# Altium PCB Power_Supply_Board_V2I1.PcbDoc (continued)
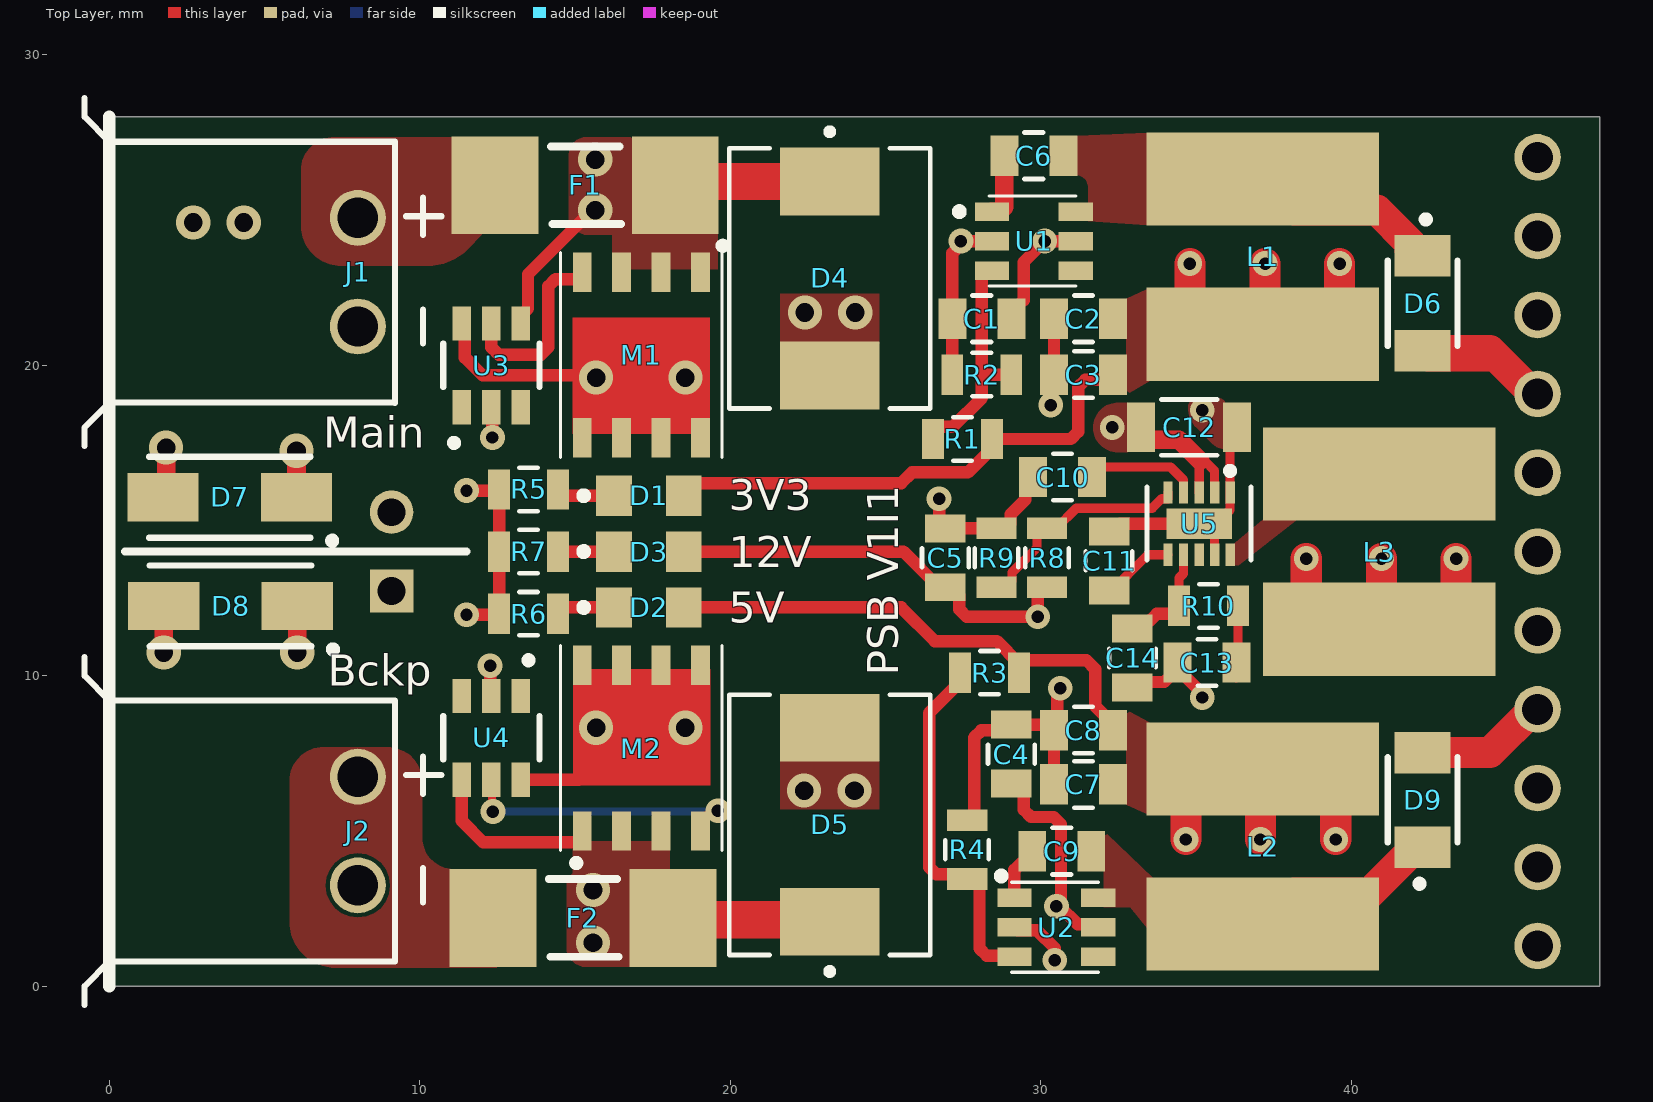
[diagram p0: Top Layer view]
## Part data (continued)
C13: library part C0805C222K5RACTU, "Cap Ceramic 2.2nF 50V X7R 10% SMD 0805 125°C Paper T/R", Capacitance=2.2nF, Case/Package=0805, Dielectric=X7R, Dielectric Material=Ceramic, Manufacturer=KEMET, Max Operating Temperature=125°C, Min Operating Temperature=-55°C, Supplier Part Number 1=399-1151-1-ND, Tolerance=10%, Voltage=50V, Category="Ceramic Capacitors", ComponentLink1Description=https://datasheet.ciiva.com/28692/1851736-28692973.pdf?src-supplier=Element14, ComponentLink1URL=https://datasheet.ciiva.com/28692/1851736-28692973.pdf?src-supplier=Element14, ComponentLink2Description=https://datasheet.ciiva.com/28584/kem-c1002-x7r-smd-28584143.pdf?src-supplier=Element14, ComponentLink2URL=https://datasheet.ciiva.com/28584/kem-c1002-x7r-smd-28584143.pdf?src-supplier=Element14, Depth=1.25mm, Height=0.78mm, Length=2mm, Manufacturer Part Number=C0805C222K5RACTU, Mount="Surface Mount", Packaging="Tape and Reel", Pricing 1="1=0,10000, 10=0,06000, 100=0,02670, 500=0,01906, 1000=0,01497 (USD)", Radiation Hardening=No, RoHS=Yes, Stock 1=406273, Supplier 1=Digi-Key, Voltage Rating (DC)=50V
C14: library part C0805C120J5GACTU, "Cap Ceramic 12PF, 50V, 0805, REEL", Capacitance=12pF, Case Code (Imperial)=0805, Case Code (Metric)=2012, Dielectric=C0G, Dielectric Material=Ceramic, Manufacturer=KEMET, Max Operating Temperature=125°C, Min Operating Temperature=-55°C, Package Quantity=1, Supplier Part Number 1=399-1110-1-ND, Temperature Coefficient=30ppm/°C, Tolerance=5%, Voltage=50V, Case/Package=0805, Category="Ceramic Capacitors", ComponentLink1Description=https://datasheet.ciiva.com/6136/1732692-6136713.pdf?src-supplier=Farnell, ComponentLink1URL=https://datasheet.ciiva.com/6136/1732692-6136713.pdf?src-supplier=Farnell, ComponentLink2Description=https://datasheet.ciiva.com/144/docfinderpartnumber-c0805c120j5gactu-144980.pdf?src-supplier=Digi-Key, ComponentLink2URL=https://datasheet.ciiva.com/144/docfinderpartnumber-c0805c120j5gactu-144980.pdf?src-supplier=Digi-Key, ComponentLink3Description=https://datasheet.ciiva.com/11463/kem-c1003-c0g-smd-11463493.pdf?src-supplier=Avnet, ComponentLink3URL=https://datasheet.ciiva.com/11463/kem-c1003-c0g-smd-11463493.pdf?src-supplier=Avnet, ComponentLink4Description=https://datasheet.ciiva.com/18193/getdatasheetpartid-179336-18193526.pdf?src-supplier=Verical, ComponentLink4URL=https://datasheet.ciiva.com/18193/getdatasheetpartid-179336-18193526.pdf?src-supplier=Verical, ComponentLink5Description=https://datasheet.ciiva.com/5418/kem-c1003-c0g-smd-356956-5418089.pdf?src-supplier=Mouser, ComponentLink5URL=https://datasheet.ciiva.com/5418/kem-c1003-c0g-smd-356956-5418089.pdf?src-supplier=Mouser, ComponentLink6Description=https://datasheet.ciiva.com/7842/1732692-7842203.pdf?src-supplier=Element14, ComponentLink6URL=https://datasheet.ciiva.com/7842/1732692-7842203.pdf?src-supplier=Element14, ComponentLink7Description=https://datasheet.ciiva.com/7842/1732692-7842204.pdf?src-supplier=Element14, ComponentLink7URL=https://datasheet.ciiva.com/7842/1732692-7842204.pdf?src-supplier=Element14, ComponentLink8Description=https://datasheet.ciiva.com/14586/70095383-14586716.pdf?src-supplier=Allied+Electronics, ComponentLink8URL=https://datasheet.ciiva.com/14586/70095383-14586716.pdf?src-supplier=Allied+Electronics, ComponentLink9Description=https://datasheet.ciiva.com/28696/1789732-28696013.pdf?src-supplier=Element14, ComponentLink9URL=https://datasheet.ciiva.com/28696/1789732-28696013.pdf?src-supplier=Element14, Contact Material=Tin, Depth=1.25mm, Dissipation Factor=0.1%, Height=0.78mm, Lead Free="Lead Free", Lead Pitch=0.75mm, Length=2mm, Manufacturer Part Number=C0805C120J5GACTU, Mount="Surface Mount,PCB", Number of Pins=2, Packaging="Tape and Reel", Pricing 1="1=0,15000, 10=0,10700, 100=0,05010, 500=0,03512, 1000=0,02908 (USD)", Radiation Hardening=No, REACH SVHC="No SVHC", RoHS=Yes, Stock 1=92109, Supplier 1=Digi-Key, Termination=SMD/SMT, Thickness=0.035inch, Voltage Rating=50V, Voltage Rating (DC)=50V, Width=0.049inch
D1 D2 D3: library part 598-8170-107F, "LED 0805 GREEN 20MCD", Case Code (Imperial)=0805, Case Code (Metric)=2012, Color=Green, Forward Current=20mA, Forward Voltage=2.4V, Lens Color=Colorless,Clear, Manufacturer=Dialight, Max Operating Temperature=85°C, Min Operating Temperature=-30°C, Package Quantity=3000, Power Dissipation=60mW, Reverse Voltage=5V, Supplier Part Number 1=350-2044-1-ND, Case/Package=0805, Category=LEDs, ComponentLink1Description=https://datasheet.ciiva.com/11774/0900766b80ae2984-11774107.pdf?src-supplier=RSComponents, ComponentLink1URL=https://datasheet.ciiva.com/11774/0900766b80ae2984-11774107.pdf?src-supplier=RSComponents, ComponentLink2Description=https://datasheet.ciiva.com/15117/getdatasheetpartid-104614-15117453.pdf?src-supplier=Verical, ComponentLink2URL=https://datasheet.ciiva.com/15117/getdatasheetpartid-104614-15117453.pdf?src-supplier=Verical, ComponentLink3Description=https://datasheet.ciiva.com/2110/smt-selector-guide-2110053.pdf?src-supplier=Digi-Key, ComponentLink3URL=https://datasheet.ciiva.com/2110/smt-selector-guide-2110053.pdf?src-supplier=Digi-Key, ComponentLink4Description=https://datasheet.ciiva.com/1243/25662-1243901.pdf?src-supplier=Element14, ComponentLink4URL=https://datasheet.ciiva.com/1243/25662-1243901.pdf?src-supplier=Element14, ComponentLink5Description=https://datasheet.ciiva.com/30132/mdei5980805-a-w-30132781.pdf?src-supplier=Onlinecomponents.com, ComponentLink5URL=https://datasheet.ciiva.com/30132/mdei5980805-a-w-30132781.pdf?src-supplier=Onlinecomponents.com, ComponentLink6Description=https://datasheet.ciiva.com/2110/smt-selector-guide-2110051.pdf?src-supplier=Digi-Key, ComponentLink6URL=https://datasheet.ciiva.com/2110/smt-selector-guide-2110051.pdf?src-supplier=Digi-Key, ComponentLink7Description=https://datasheet.ciiva.com/2110/smt-selector-guide-2110052.pdf?src-supplier=Digi-Key, ComponentLink7URL=https://datasheet.ciiva.com/2110/smt-selector-guide-2110052.pdf?src-supplier=Digi-Key, ComponentLink8Description=https://datasheet.ciiva.com/15965/mdei5980805-a-w-15965496.pdf?src-supplier=Onlinecomponents.com, ComponentLink8URL=https://datasheet.ciiva.com/15965/mdei5980805-a-w-15965496.pdf?src-supplier=Onlinecomponents.com, ComponentLink9Description=https://datasheet.ciiva.com/22748/1484480-22748121.pdf?src-supplier=Element14, ComponentLink9URL=https://datasheet.ciiva.com/22748/1484480-22748121.pdf?src-supplier=Element14, ComponentLink10Description=https://datasheet.ciiva.com/1243/25662-1243902.pdf?src-supplier=Element14, ComponentLink10URL=https://datasheet.ciiva.com/1243/25662-1243902.pdf?src-supplier=Element14, Depth=1.25mm, Dominant Wavelength=570nm, Height=0.8mm, Illumination Color=Green, Lead Free="Lead Free", Length=2mm, Lens Size=1.25mm, Lens Style=Flat,Rectangular,Clear,Diffused,Colorless, Lens Transparency=Clear, Luminous Intensity=20mcd, Manufacturer Part Number=598-8170-107F, Mount="Surface Mount", Number of Elements=1, Number of LEDs=1, Number of Pins=2, Packaging="Tape and Reel", Pricing 1="1=0,39000, 10=0,28200, 100=0,12520, 500=0,08766, 1000=0,07201 (USD)", Radiation Hardening=No, REACH SVHC="No SVHC", RoHS=Yes, Stock 1=101069, Supplier 1=Digi-Key, Test Current=20mA, Viewing Angle=140°, Wavelength=570nm, Width=1.25mm
D4 D5: library part SMCJ58CA, "TVS DIODE 58VWM 93.6VC SMC", Breakdown Voltage=64.4V, Clamping Voltage=93.6V, Leakage Current=1uA, Manufacturer=Littelfuse, Max Breakdown Voltage=71.2V, Max Operating Temperature=150°C, Max Power Dissipation=6.5W, Max Surge Current=16.1A, Min Operating Temperature=-65°C, Operating Supply Voltage=58V, Package Quantity=3000, Peak Pulse Power=1.5kW, Power Line Protection=No, Supplier Part Number 1=SMCJ58CALFCT-ND, Test Current=1mA, Category="TVS Diodes", ComponentLink1Description=https://datasheet.ciiva.com/16388/smcj58ca-16388266.pdf?src-supplier=Future+Electronics, ComponentLink1URL=https://datasheet.ciiva.com/16388/smcj58ca-16388266.pdf?src-supplier=Future+Electronics, ComponentLink2Description=https://datasheet.ciiva.com/4509/littelfuse-tvs-diode-smcj-62645-4509016.pdf?src-supplier=Mouser, ComponentLink2URL=https://datasheet.ciiva.com/4509/littelfuse-tvs-diode-smcj-62645-4509016.pdf?src-supplier=Mouser, ComponentLink3Description=https://datasheet.ciiva.com/332/littelfuse-tvs-diode-smcj-datasheet-pdf-332399.pdf?src-supplier=Digi-Key, ComponentLink3URL=https://datasheet.ciiva.com/332/littelfuse-tvs-diode-smcj-datasheet-pdf-332399.pdf?src-supplier=Digi-Key, ComponentLink4Description=https://datasheet.ciiva.com/332/littelfuse-tvs-diode-smcj-datasheet-pdf-332397.pdf?src-supplier=Digi-Key, ComponentLink4URL=https://datasheet.ciiva.com/332/littelfuse-tvs-diode-smcj-datasheet-pdf-332397.pdf?src-supplier=Digi-Key, ComponentLink5Description=https://datasheet.ciiva.com/332/littelfuse-tvs-diode-smcj-datasheet-pdf-332398.pdf?src-supplier=Digi-Key, ComponentLink5URL=https://datasheet.ciiva.com/332/littelfuse-tvs-diode-smcj-datasheet-pdf-332398.pdf?src-supplier=Digi-Key, Composition=Zener, Direction=Bidirectional, Height=2.62mm, Lead Free="Lead Free", Length=8.13mm, Manufacturer Part Number=SMCJ58CA, Min Breakdown Voltage=64.4V, Mount="Surface Mount", Number of Bidirectional Channels=1, Number of Channels=1, Number of Elements=1, Number of Pins=2, Packaging="Tape and Reel", Peak Pulse Current=16.1A, Polarity=Bidirectional, Power Dissipation=1.5kW, Pricing 1="1=0,61000, 10=0,52500, 25=0,49000, 100=0,36400, 250=0,34580, 500=0,28420, 1000=0,23100 (USD)", REACH SVHC="No SVHC", Reverse Breakdown Voltage=64.4V, Reverse Standoff Voltage=58V, RoHS=Yes, Stock 1=5077, Supplier 1=Digi-Key, Termination=SMD/SMT, Voltage Rating (DC)=58V, Width=6.22mm
D6: "Diode SCHOTTKY  40V 2S SOD123F", Average Rectified Current=2A, Case/Package=SOD, Manufacturer="ON Semiconductor / Fairchild", Max Forward Surge Current (Ifsm)=50A, Max Repetitive Reverse Voltage (Vrrm)=40V, Supplier Part Number 1=SS24FLCT-ND, Category="Rectifier Diodes", ComponentLink1Description=http://www.farnell.com/datasheets/2552652.pdf?src-supplier=Farnell, ComponentLink1URL=http://www.farnell.com/datasheets/2552652.pdf?src-supplier=Farnell, ComponentLink2Description=https://www.fairchildsemi.com/datasheets/SS/SS24FL.pdf?src-supplier=Digi-Key, ComponentLink2URL=https://www.fairchildsemi.com/datasheets/SS/SS24FL.pdf?src-supplier=Digi-Key, ComponentLink3Description=http://www.farnell.com/datasheets/2552652.pdf?src-supplier=Newark, ComponentLink3URL=http://www.farnell.com/datasheets/2552652.pdf?src-supplier=Newark, ComponentLink4Description=http://www.farnell.com/datasheets/2552652.pdf?src-supplier=Element14, ComponentLink4URL=http://www.farnell.com/datasheets/2552652.pdf?src-supplier=Element14, Element Configuration=Single, Manufacturer Part Number=SS24FL, Max Reverse Voltage (DC)=40V, Mount="Surface Mount", Number of Pins=2, Packaging="Tape and Reel", Pricing 1="1=0,31000, 10=0,25000, 25=0,20960, 100=0,10250, 250=0,10088, 500=0,08552, 1000=0,05942 (USD)", Reverse Recovery Time=9.495ns, RoHS=Yes, Stock 1=15493, Supplier 1=Digi-Key, Weight=0.0276g
D7 D8: library part 1SMA5943BT3G, "Diodes Zener 56V 1.5W", Breakdown Voltage=58.8V, Case/Package=SMA, Forward Voltage=1.5V, Manufacturer="ON Semiconductor", Max Operating Temperature=150°C, Max Power Dissipation=1.5W, Max Reverse Leakage Current=500nA, Min Operating Temperature=-65°C, Package Quantity=1, Power Dissipation=500mW, Supplier Part Number 1=1SMA5943BT3GOSCT-ND, Test Current=6.7mA, Tolerance=5%, Zener Current=27mA, Category="Zener Diodes", ComponentLink1Description=https://datasheet.ciiva.com/15142/getdatasheetpartid-53895-15142138.pdf?src-supplier=Verical, ComponentLink1URL=https://datasheet.ciiva.com/15142/getdatasheetpartid-53895-15142138.pdf?src-supplier=Verical, ComponentLink2Description=https://datasheet.ciiva.com/4733/1sma5913bt3-d-4733669.pdf?src-supplier=Mouser, ComponentLink2URL=https://datasheet.ciiva.com/4733/1sma5913bt3-d-4733669.pdf?src-supplier=Mouser, ComponentLink3Description=https://datasheet.ciiva.com/16311/1sma5913bt3-d-16311897.pdf?src-supplier=Future+Electronics, ComponentLink3URL=https://datasheet.ciiva.com/16311/1sma5913bt3-d-16311897.pdf?src-supplier=Future+Electronics, ComponentLink4Description=https://datasheet.ciiva.com/6388/1sma5913bt3-d-6388892.pdf?src-supplier=Digi-Key, ComponentLink4URL=https://datasheet.ciiva.com/6388/1sma5913bt3-d-6388892.pdf?src-supplier=Digi-Key, ComponentLink5Description=https://datasheet.ciiva.com/6388/1sma5913bt3-d-6388890.pdf?src-supplier=Digi-Key, ComponentLink5URL=https://datasheet.ciiva.com/6388/1sma5913bt3-d-6388890.pdf?src-supplier=Digi-Key, ComponentLink6Description=https://datasheet.ciiva.com/6388/1sma5913bt3-d-6388891.pdf?src-supplier=Digi-Key, ComponentLink6URL=https://datasheet.ciiva.com/6388/1sma5913bt3-d-6388891.pdf?src-supplier=Digi-Key, Element Configuration=Single, Halogen Free="Halogen Free", Height=2.05mm, Impedance=86R, Lead Free="Lead Free", Length=4.57mm, Manufacturer Part Number=1SMA5943BT3G, Number of Pins=2, Packaging="Tape and Reel", Peak Reverse Current=500nA, Power Rating=1.5W, Pricing 1="1=0,43000, 10=0,32200, 25=0,29040, 100=0,15310, 250=0,15152, 500=0,13570, 1000=0,10560, 2500=0,09662 (USD)", Radiation Hardening=No, REACH SVHC="No SVHC", RoHS=Yes, Stock 1=25856, Supplier 1=Digi-Key, Voltage Rating (DC)=56V, Voltage Tolerance=5%, Width=2.92mm, Working Voltage=56V, Zener Voltage=56V
D9: "DIODE SCHOTTKY 40V 1A SOD123F", Average Rectified Current=1A, Case/Package=SOD, Manufacturer="ON Semiconductor / Fairchild", Max Forward Surge Current (Ifsm)=40A, Max Repetitive Reverse Voltage (Vrrm)=40V, Supplier Part Number 1=SS14FLCT-ND, Category="Rectifier Diodes", ComponentLink1Description=http://www.farnell.com/datasheets/2552650.pdf?src-supplier=Farnell, ComponentLink1URL=http://www.farnell.com/datasheets/2552650.pdf?src-supplier=Farnell, ComponentLink2Description=https://www.fairchildsemi.com/datasheets/SS/SS13FL.pdf?src-supplier=Digi-Key, ComponentLink2URL=https://www.fairchildsemi.com/datasheets/SS/SS13FL.pdf?src-supplier=Digi-Key, ComponentLink3Description=https://www.onsemi.com/pub/Collateral/SS14FL-D.PDF?src-supplier=Digi-Key, ComponentLink3URL=https://www.onsemi.com/pub/Collateral/SS14FL-D.PDF?src-supplier=Digi-Key, Element Configuration=Single, Manufacturer Part Number=SS14FL, Max Reverse Voltage (DC)=40V, Mount="Surface Mount", Packaging="Tape and Reel", Pricing 1="1=0,25000, 10=0,20900, 25=0,17480, 100=0,08540, 250=0,08400, 500=0,07120, 1000=0,04947 (USD)", Reverse Recovery Time=5.695ns, RoHS=Yes, Stock 1=33301, Supplier 1=Digi-Key, Weight=0.0276g
F1 F2: library part SF-2410FP630W-2, "Fuse 2410 SMD FAST-ACTING PRECISION W", Case Code (Imperial)=2410, Case Code (Metric)=6125, Current Rating=6.3A, DC Cold Resistance=10mR, Manufacturer=Bourns, Max Operating Temperature=125°C, Min Operating Temperature=-55°C, Supplier Part Number 1=SF-2410FP630W-2CT-ND, Voltage Rating (AC)=125V, Approvals=UL, Case/Package=2410, ComponentLink1Description=https://www.bourns.com/docs/Product-Datasheets/SF-2410FPxxxW.pdf?src-supplier=Digi-Key, ComponentLink1URL=https://www.bourns.com/docs/Product-Datasheets/SF-2410FPxxxW.pdf?src-supplier=Digi-Key, Fuse Type="Board Mount (Cartridge Style Excluded)", Manufacturer Part Number=SF-2410FP630W-2, Mount="Surface Mount", Packaging="Tape and Reel", Pricing 1="1=1,16000, 5=1,12600, 10=1,05300, 50=0,87120, 100=0,72600, 250=0,70784, 500=0,59896, 1000=0,52635 (USD)", RoHS=No, Stock 1=1970, Supplier 1=Digi-Key, Voltage Rating (DC)=125V
J1 J2: "Terminal Block,2 Contacts,PIN ;RoHS Compliant: Yes", Color=Black, Contact Resistance=8mR, Current Rating=8A, Flammability Rating="UL94 V-0", Manufacturer=Molex, Max Operating Temperature=105°C, Min Operating Temperature=-40°C, Package Quantity=1800, Supplier Part Number 1=WM7770-ND, Voltage Rating=300V, Category="Headers and Wire Housings", ComponentLink1Description=https://datasheet.ciiva.com/5192/0395021002-terminal-blocks-163773-5192965.pdf?src-supplier=Mouser, ComponentLink1URL=https://datasheet.ciiva.com/5192/0395021002-terminal-blocks-163773-5192965.pdf?src-supplier=Mouser, Contact Material=Brass, Contact Plating=Tin, ELV=Compliant, Halogen Free="Low Halogen", Housing Color=Black, Housing Material=Nylon, Lead Free="Lead Free", Length=8.4mm, Manufacturer Part Number=39502-1002, Mount="Through Hole", Number of Circuits=2, Number of Contacts=2, Number of Positions=2, Number of Rows=1, Orientation=Horizontal, Pitch=3.5mm, Pricing 1="1=0,58000, 10=0,54000, 100=0,41400, 500=0,36000, 1000=0,29700, 5000=0,26100, 10000=0,24300 (USD)", REACH SVHC="No SVHC", RoHS=Yes, Stock 1=12700, Supplier 1=Digi-Key, Termination="Through Hole", Width=9.2mm
J3: library part PREC011SAAN-RC, "HEADER 11 pins Male 2.54MM", Color=Black, Manufacturer=Sullins, Package Quantity=1, Supplier Part Number 1=S1012EC-11-ND, Category=Connectors, ComponentLink1Description=https://datasheet.ciiva.com/740/zrzczzzszzn-rc-st-11635-b-740834.pdf?src-supplier=Digi-Key, ComponentLink1URL=https://datasheet.ciiva.com/740/zrzczzzszzn-rc-st-11635-b-740834.pdf?src-supplier=Digi-Key, Connector Type="Male Pin", Contact Mating Length=0.23inch, Contact Plating=Tin, Manufacturer Part Number=PREC011SAAN-RC, Mount="Through Hole", Number of Positions=11, Number of Rows=1, Packaging=Bulk, Pitch=0.1inch, Pricing 1="1=0,26000, 10=0,24500, 25=0,20920, 50=0,18300, 100=0,16990, 250=0,15028, 500=0,14374 (USD)", RoHS=Yes, Stock 1=2584, Supplier 1=Digi-Key, Termination=Solder
L1: library part SDE0805A-150M, "Inductor Power  15 uH,  20%, Unshielded, 0.1 ohm, 2.45 A", Case/Package=Nonstandard, Current Rating=2.5A, DC Resistance (DCR)=90mR, Inductance=15uH, Inductance Tolerance=20%, Manufacturer=Bourns, Max Operating Temperature=125°C, Min Operating Temperature=-40°C, Ratings=AEC-Q200, Saturation Current=2.2A, Self Resonant Frequency=22.5MHz, Supplier Part Number 1=SDE0805A-150MCT-ND, Test Frequency=1MHz, Category="Fixed Inductors", ComponentLink1Description=https://datasheet.ciiva.com/48953/70480897-48953502.pdf?src-supplier=Allied+Electronics, ComponentLink1URL=https://datasheet.ciiva.com/48953/70480897-48953502.pdf?src-supplier=Allied+Electronics, ComponentLink2Description=https://datasheet.ciiva.com/46446/1865596-46446878.pdf?src-supplier=Element14, ComponentLink2URL=https://datasheet.ciiva.com/46446/1865596-46446878.pdf?src-supplier=Element14, Composition=Wirewound, Core Material=Ferrite, Height - Seated (Max)=0.217inch, Length=0.307inch, Manufacturer Part Number=SDE0805A-150M, Mount="Surface Mount", Packaging="Tape and Reel", Pricing 1="1=0,74000, 10=0,64400, 100=0,46000, 500=0,38640 (USD)", REACH SVHC="No SVHC", RMS Current (Irms)=2.5A, RoHS=Yes, Shielding=Unshielded, Stock 1=1714, Supplier 1=Digi-Key, Termination=SMD/SMT, Tolerance=20%, Width=0.276inch
L2: library part SDE0805A-180M, "Inductor Power  18 uH,  20%, Unshielded, 0.1 ohm, 2.45 A", Case/Package=Nonstandard, Current Rating=2.45A, DC Resistance (DCR)=100mR, Inductance=18uH, Inductance Tolerance=20%, Manufacturer=Bourns, Max Operating Temperature=125°C, Min Operating Temperature=-40°C, Ratings=AEC-Q200, Saturation Current=2A, Self Resonant Frequency=17.6MHz, Supplier Part Number 1=SDE0805A-180MCT-ND, Test Frequency=1MHz, Category="Fixed Inductors", ComponentLink1Description=https://datasheet.ciiva.com/46449/1865596-46449257.pdf?src-supplier=Element14, ComponentLink1URL=https://datasheet.ciiva.com/46449/1865596-46449257.pdf?src-supplier=Element14, ComponentLink2Description=https://datasheet.ciiva.com/48954/70480897-48954489.pdf?src-supplier=Allied+Electronics, ComponentLink2URL=https://datasheet.ciiva.com/48954/70480897-48954489.pdf?src-supplier=Allied+Electronics, Composition=Wirewound, Core Material=Ferrite, Height - Seated (Max)=0.217inch, Length=0.307inch, Manufacturer Part Number=SDE0805A-180M, Mount="Surface Mount", Packaging="Tape and Reel", Pricing 1="1=0,74000, 10=0,64400, 100=0,46000, 500=0,38640 (USD)", REACH SVHC="No SVHC", RMS Current (Irms)=2.45A, RoHS=Yes, Shielding=Unshielded, Stock 1=1808, Supplier 1=Digi-Key, Termination=SMD/SMT, Tolerance=20%, Width=0.276inch
L3: library part SDE0805A-470K, "Inductor 47UH,  10%, 0.18 ohm, 1.7 A", Case/Package=Nonstandard, Current Rating=1.7A, DC Resistance (DCR)=180mR, Inductance=47uH, Inductance Tolerance=10%, Manufacturer=Bourns, Max Operating Temperature=125°C, Min Operating Temperature=-40°C, Ratings=AEC-Q200, Saturation Current=1.4A, Self Resonant Frequency=12.1MHz, Supplier Part Number 1=SDE0805A-470KCT-ND, Test Frequency=1MHz, Category="Fixed Inductors", ComponentLink1Description=http://www.alliedelec.com/images/products/datasheets/bm/BOURNS/70480912.pdf?src-supplier=Allied+Electronics, ComponentLink1URL=http://www.alliedelec.com/images/products/datasheets/bm/BOURNS/70480912.pdf?src-supplier=Allied+Electronics, ComponentLink2Description=http://www.farnell.com/datasheets/1865596.pdf?src-supplier=Farnell, ComponentLink2URL=http://www.farnell.com/datasheets/1865596.pdf?src-supplier=Farnell, ComponentLink3Description=http://www.bourns.com/docs/Product-Datasheets/SDE0805A.pdf?src-supplier=Digi-Key, ComponentLink3URL=http://www.bourns.com/docs/Product-Datasheets/SDE0805A.pdf?src-supplier=Digi-Key, ComponentLink4Description=https://www.bourns.com/docs/Product-Datasheets/SDE0805A.pdf?src-supplier=Digi-Key, ComponentLink4URL=https://www.bourns.com/docs/Product-Datasheets/SDE0805A.pdf?src-supplier=Digi-Key, ComponentLink5Description=http://www.farnell.com/datasheets/1865596.pdf?src-supplier=Element14, ComponentLink5URL=http://www.farnell.com/datasheets/1865596.pdf?src-supplier=Element14, Composition=Wirewound, Core Material=Ferrite, Height - Seated (Max)=0.217inch, Length=0.307inch, Manufacturer Part Number=SDE0805A-470K, Mount="Surface Mount", Packaging="Tape and Reel", Pricing 1="1=0,74000, 10=0,64400, 100=0,46000, 500=0,38640 (USD)", REACH SVHC="No SVHC", RMS Current (Irms)=1.7A, RoHS=Yes, Shielding=Unshielded, Stock 1=2269, Supplier 1=Digi-Key, Termination=SMD/SMT, Tolerance=10%, Width=0.276inch
M1 M2: library part FDMS86540, "MOSFET 60V N-Channel PowerTrench MOSFET", Continuous Drain Current (ID)=20A, Drain to Source Breakdown Voltage=60V, Drain to Source Resistance=3.4mR, Gate to Source Voltage (Vgs)=20V, Input Capacitance=6.435nF, Manufacturer="ON Semiconductor / Fairchild", Max Operating Temperature=150°C, Max Power Dissipation=2.5W, Min Operating Temperature=-55°C, Package Quantity=3000, Supplier Part Number 1=FDMS86540CT-ND, Category=MOSFETs, ComponentLink1Description=https://datasheet.ciiva.com/6374/fdms86540-6374392.pdf?src-supplier=Digi-Key, ComponentLink1URL=https://datasheet.ciiva.com/6374/fdms86540-6374392.pdf?src-supplier=Digi-Key, ComponentLink2Description=https://datasheet.ciiva.com/15044/fdms86540-15044107.pdf?src-supplier=Digi-Key, ComponentLink2URL=https://datasheet.ciiva.com/15044/fdms86540-15044107.pdf?src-supplier=Digi-Key, ComponentLink3Description=https://datasheet.ciiva.com/11176/fdms86540-11176218.pdf?src-supplier=Avnet, ComponentLink3URL=https://datasheet.ciiva.com/11176/fdms86540-11176218.pdf?src-supplier=Avnet, ComponentLink4Description=https://datasheet.ciiva.com/15044/fdms86540-15044106.pdf?src-supplier=Digi-Key, ComponentLink4URL=https://datasheet.ciiva.com/15044/fdms86540-15044106.pdf?src-supplier=Digi-Key, ComponentLink5Description=https://datasheet.ciiva.com/15044/fdms86540-15044108.pdf?src-supplier=Digi-Key, ComponentLink5URL=https://datasheet.ciiva.com/15044/fdms86540-15044108.pdf?src-supplier=Digi-Key, Drain to Source Voltage (Vdss)=60V, Element Configuration=Single, Fall Time=7.2ns, Height=1.05mm, Length=5mm, Manufacturer Part Number=FDMS86540, Mount="Surface Mount", Number of Elements=1, Number of Pins=8, Packaging="Tape and Reel", Power Dissipation=2.5W, Pricing 1="1=1,48000, 10=1,33200, 25=1,25640, 100=0,98010, 250=0,95496, 500=0,82930, 1000=0,70364 (USD)", Radiation Hardening=No, Rds On Max=3.4mR, Rise Time=16ns, RoHS=Yes, Stock 1=1340, Supplier 1=Digi-Key, Turn-Off Delay Time=32ns, Turn-On Delay Time=28ns, Weight=0.0681g, Width=5.75mm
P1: library part CMP-2000-07492-1, "Male Header, Pitch 2.54 mm, 1 x 2 Position, Height 8.21 mm, Tail Length 3.05 mm, -65 to 105 degC, RoHS, Bulk", Case\/Package=100, Colour=Black, Current Rating=3A, Flammability Rating=UL94V-0, High Temperature Housing=Yes, Manufacturer="TE Connectivity", Max Current Rating=5A, Max Operating Temperature=105degC, Min Operating Temperature=-65degC, Package Description="Male Header, Pitch 2.54 mm, 1 x 2 Position, Height 8.21 mm, Tail Length 3.05 mm", Package Quantity=500, Approvals=CSA, Board Standoff=No(Without), Connector Type=Header, Contact Gender=Male, Contact Material=CopperAlloy, Contact Mating Length=0.23inch, Contact Plating=Matte, Contact Protection=No(Without), Contact Shape=Square, Datasheet URL=http://www.te.com/commerce/DocumentDelivery/DDEController?Action=showdoc&DocId=Customer+Drawing%7F146280%7FH1%7Fpdf%7FEnglish%7FENG_CD_146280_H1.pdf%7F5-146280-2, Datasheet Version="Rev. H1, 08/2016", Depth=2.34mm, Gasket=No(Without), High Speed Serial Data Connector=No, Housing Colour=Black, Housing Material=Polymer, Keyed=No, Length=4.67mm, Manufacturer URL=http://www.te.com/, Mating Alignment=No(Without), Mating Connector Lock=No(Without), Mating Post Length=0.23inch, Mount=ThroughHole, Mounting Technology=ThroughHole, Number of Contacts=2, Number of Positions=2, Number of Rows=1, Orientation=Straight, Package Reference=5-146280-2, Packaging=Carton, Panel Mount Retention=No(Without), PCB Mount Retention=Without, PCB Mounting Orientation=Vertical, PCB Thickness=0.063inch, Pitch=2.54mm, Radiation Hardening=No, RoHSCompliant=true, Row Spacing=2.54mm, Selectively Loaded=No(Without), Stabilizers=No(Without), Termination=ThroughHole, Termination Post Length=0.12inch
R1: library part ERJ-6ENF6492V, "Res Thick Film 0805 64K9 OHM 1% 1/8W 0805", Case Code (Imperial)=0805, Case Code (Metric)=2012, Manufacturer=Panasonic, Max Operating Temperature=155°C, Max Power Dissipation=125mW, Min Operating Temperature=-55°C, Package Quantity=1, Resistance=64.9kR, Supplier Part Number 1=P64.9KCCT-ND, Temperature Coefficient=100ppm/°C, Tolerance=1%, Voltage Rating=150V, Case/Package=0805, Category="Chip SMD Resistors", ComponentLink1Description=https://datasheet.ciiva.com/30165/aoa0000ce2-30165247.pdf?src-supplier=Onlinecomponents.com, ComponentLink1URL=https://datasheet.ciiva.com/30165/aoa0000ce2-30165247.pdf?src-supplier=Onlinecomponents.com, ComponentLink2Description=https://datasheet.ciiva.com/22673/1678782-22673574.pdf?src-supplier=Element14, ComponentLink2URL=https://datasheet.ciiva.com/22673/1678782-22673574.pdf?src-supplier=Element14, ComponentLink3Description=https://datasheet.ciiva.com/46420/1678782-46420311.pdf?src-supplier=Element14, ComponentLink3URL=https://datasheet.ciiva.com/46420/1678782-46420311.pdf?src-supplier=Element14, ComponentLink4Description=https://datasheet.ciiva.com/9188/aoa0000ce2-9188201.pdf?src-supplier=Avnet, ComponentLink4URL=https://datasheet.ciiva.com/9188/aoa0000ce2-9188201.pdf?src-supplier=Avnet, ComponentLink5Description=https://datasheet.ciiva.com/16779/70260748-16779469.pdf?src-supplier=Allied+Electronics, ComponentLink5URL=https://datasheet.ciiva.com/16779/70260748-16779469.pdf?src-supplier=Allied+Electronics, Composition="Thick Film", Contact Plating=Tin, Depth=1.25mm, Features="Automotive AEC-Q200", Height=0.6mm, Lead Free="Lead Free", Length=2mm, Manufacturer Part Number=ERJ-6ENF6492V, Military Standard=Not, Mount="Surface Mount", Number of Terminations=2, Packaging="Tape and Reel", Power Rating=125mW, Pricing 1="1=0,10000, 10=0,07200, 100=0,02750, 1000=0,01210, 2500=0,01045 (USD)", REACH SVHC="No SVHC", RoHS=Yes, Stock 1=66858, Supplier 1=Digi-Key, Termination=SMD/SMT, Voltage Rating (DC)=150V, Width=0.049inch
R2 R4: library part ERJ6ENF1962V, "Res Thick Film 0805 19.6K Ohm 1% 1/8W 100ppm/C Molded SMD SMD Punched Carrier T/R", Case Code (Imperial)=0805, Case Code (Metric)=2012, Manufacturer=Panasonic, Max Operating Temperature=155°C, Max Power Dissipation=125mW, Min Operating Temperature=-55°C, Package Quantity=1, Resistance=19.6kR, Supplier Part Number 1=P19.6KCCT-ND, Temperature Coefficient=100ppm/°C, Tolerance=1%, Voltage Rating=150V, Case/Package=0805, Category="Chip SMD Resistors", ComponentLink1Description=https://datasheet.ciiva.com/43460/426256-43460053.pdf?src-supplier=Farnell, ComponentLink1URL=https://datasheet.ciiva.com/43460/426256-43460053.pdf?src-supplier=Farnell, ComponentLink2Description=https://datasheet.ciiva.com/6201/426256-6201515.pdf?src-supplier=Farnell, ComponentLink2URL=https://datasheet.ciiva.com/6201/426256-6201515.pdf?src-supplier=Farnell, ComponentLink3Description=https://datasheet.ciiva.com/9192/aoa0000ce2-9192205.pdf?src-supplier=Avnet, ComponentLink3URL=https://datasheet.ciiva.com/9192/aoa0000ce2-9192205.pdf?src-supplier=Avnet, ComponentLink4Description=https://datasheet.ciiva.com/30178/aoa0000ce2-30178750.pdf?src-supplier=Onlinecomponents.com, ComponentLink4URL=https://datasheet.ciiva.com/30178/aoa0000ce2-30178750.pdf?src-supplier=Onlinecomponents.com, ComponentLink5Description=https://datasheet.ciiva.com/46389/426256-46389918.pdf?src-supplier=Element14, ComponentLink5URL=https://datasheet.ciiva.com/46389/426256-46389918.pdf?src-supplier=Element14, ComponentLink6Description=https://datasheet.ciiva.com/17211/aoa0000ce2-17211151.pdf?src-supplier=Avnet+Europe, ComponentLink6URL=https://datasheet.ciiva.com/17211/aoa0000ce2-17211151.pdf?src-supplier=Avnet+Europe, ComponentLink7Description=https://datasheet.ciiva.com/46377/426256-46377964.pdf?src-supplier=Element14, ComponentLink7URL=https://datasheet.ciiva.com/46377/426256-46377964.pdf?src-supplier=Element14, Composition="Thick Film", Contact Plating=Tin, Depth=1.25mm, Features="Automotive AEC-Q200", Height=0.028inch, Lead Free="Lead Free", Length=2mm, Manufacturer Part Number=ERJ6ENF1962V, Military Standard=Not, Mount="Surface Mount", Number of Terminations=2, Packaging="Tape and Reel", Power Rating=125mW, Pricing 1="1=0,10000, 10=0,07500, 100=0,02900, 1000=0,01274, 2500=0,01100 (USD)", Radiation Hardening=No, REACH SVHC="No SVHC", RoHS=Yes, Stock 1=51667, Supplier 1=Digi-Key, Voltage Rating (DC)=150V, Width=1.2mm
R3: library part ERJ6ENF1103V, "Res Thick Film 0805 110K OHM 1% 1/8W 0805", Case Code (Imperial)=0805, Case Code (Metric)=2012, Manufacturer=Panasonic, Max Operating Temperature=155°C, Max Power Dissipation=125mW, Min Operating Temperature=-55°C, Package Quantity=1, Resistance=110kR, Supplier Part Number 1=P110KCCT-ND, Temperature Coefficient=100ppm/°C, Tolerance=1%, Voltage Rating=150V, Case/Package=0805, Category="Chip SMD Resistors", ComponentLink1Description=https://datasheet.ciiva.com/16772/70260748-16772678.pdf?src-supplier=Allied+Electronics, ComponentLink1URL=https://datasheet.ciiva.com/16772/70260748-16772678.pdf?src-supplier=Allied+Electronics, ComponentLink2Description=https://datasheet.ciiva.com/16514/aoa0000ce2-16514025.pdf?src-supplier=Avnet+Asia, ComponentLink2URL=https://datasheet.ciiva.com/16514/aoa0000ce2-16514025.pdf?src-supplier=Avnet+Asia, ComponentLink3Description=https://datasheet.ciiva.com/16772/70260748-16772280.pdf?src-supplier=Allied+Electronics, ComponentLink3URL=https://datasheet.ciiva.com/16772/70260748-16772280.pdf?src-supplier=Allied+Electronics, ComponentLink4Description=https://datasheet.ciiva.com/30095/aoa0000ce2-30095081.pdf?src-supplier=Onlinecomponents.com, ComponentLink4URL=https://datasheet.ciiva.com/30095/aoa0000ce2-30095081.pdf?src-supplier=Onlinecomponents.com, ComponentLink5Description=https://datasheet.ciiva.com/7795/1678782-7795547.pdf?src-supplier=Element14, ComponentLink5URL=https://datasheet.ciiva.com/7795/1678782-7795547.pdf?src-supplier=Element14, ComponentLink6Description=https://datasheet.ciiva.com/17207/aoa0000ce2-17207915.pdf?src-supplier=Avnet+Europe, ComponentLink6URL=https://datasheet.ciiva.com/17207/aoa0000ce2-17207915.pdf?src-supplier=Avnet+Europe, ComponentLink7Description=https://datasheet.ciiva.com/46440/1678782-46440380.pdf?src-supplier=Element14, ComponentLink7URL=https://datasheet.ciiva.com/46440/1678782-46440380.pdf?src-supplier=Element14, Composition="Thick Film", Contact Plating=Tin, Depth=1.25mm, Features="Automotive AEC-Q200", Height=0.6mm, Lead Free="Lead Free", Length=2mm, Manufacturer Part Number=ERJ6ENF1103V, Military Standard=Not, Mount="Surface Mount", Number of Terminations=2, Packaging="Tape and Reel", Power Rating=125mW, Pricing 1="1=0,10000, 10=0,07200, 100=0,02750, 1000=0,01210, 2500=0,01045 (USD)", Radiation Hardening=No, REACH SVHC=Yes, RoHS=Yes, Stock 1=49849, Supplier 1=Digi-Key, Termination=SMD/SMT, Voltage Rating (DC)=150V, Weight=0.000194oz, Width=1.2mm
R5: library part ERJ6ENF1001V, "Res 0805, 1K, 0.125W", Case Code (Imperial)=0805, Case Code (Metric)=2012, Manufacturer=Panasonic, Max Operating Temperature=155°C, Max Power Dissipation=125mW, Min Operating Temperature=-55°C, Package Quantity=1, Resistance=1kR, Supplier Part Number 1=P1.00KCDKR-ND, Temperature Coefficient=100ppm/°C, Tolerance=1%, Voltage Rating=150V, Case/Package=0805, ComponentLink1Description=http://www.jameco.com/Jameco/Products/ProdDS/1988962.pdf?src-supplier=Jameco, ComponentLink1URL=http://www.jameco.com/Jameco/Products/ProdDS/1988962.pdf?src-supplier=Jameco, ComponentLink2Description=http://www.farnell.com/datasheets/426256.pdf?src-supplier=Element14, ComponentLink2URL=http://www.farnell.com/datasheets/426256.pdf?src-supplier=Element14, ComponentLink3Description=http://www.alliedelec.com/m/d/623f45ff1957d936ff56d46fd1c28cac.pdf?src-supplier=Allied+Electronics, ComponentLink3URL=http://www.alliedelec.com/m/d/623f45ff1957d936ff56d46fd1c28cac.pdf?src-supplier=Allied+Electronics, ComponentLink4Description=http://www.farnell.com/datasheets/1678782.pdf?src-supplier=Element14, ComponentLink4URL=http://www.farnell.com/datasheets/1678782.pdf?src-supplier=Element14, ComponentLink5Description=http://industrial.panasonic.com/www-data/pdf/AOA0000/AOA0000CE2.pdf?src-supplier=Avnet, ComponentLink5URL=http://industrial.panasonic.com/www-data/pdf/AOA0000/AOA0000CE2.pdf?src-supplier=Avnet, ComponentLink6Description=http://industrial.panasonic.com/www-data/pdf/AOA0000/AOA0000CE2.pdf?src-supplier=Future+Electronics, ComponentLink6URL=http://industrial.panasonic.com/www-data/pdf/AOA0000/AOA0000CE2.pdf?src-supplier=Future+Electronics, ComponentLink7Description=http://industrial.panasonic.com/www-data/pdf/AOA0000/AOA0000CE2.pdf?src-supplier=Avnet+Asia, ComponentLink7URL=http://industrial.panasonic.com/www-data/pdf/AOA0000/AOA0000CE2.pdf?src-supplier=Avnet+Asia, Composition="Thick Film", Contact Plating=Tin, Depth=1.25mm, Features="Automotive AEC-Q200", Height=0.6mm, Lead Free="Lead Free", Length=2mm, Manufacturer Part Number=ERJ6ENF1001V, Military Standard=Not, Mount="Surface Mount", Number of Pins=2, Number of Terminations=2, Packaging="Tape and Reel", Power Rating=125mW, Pricing 1="1=0.1, 10=0.081, 100=0.0311, 1000=0.01367, 2500=0.01181 (USD)", Radiation Hardening=No, REACH SVHC="No SVHC", Stock 1=946321, Supplier 1=Digi-Key, Termination=SMD/SMT, Voltage Rating (DC)=150V, Width=0.049inch